# KiCad board panel.kicad_pcb (continued)
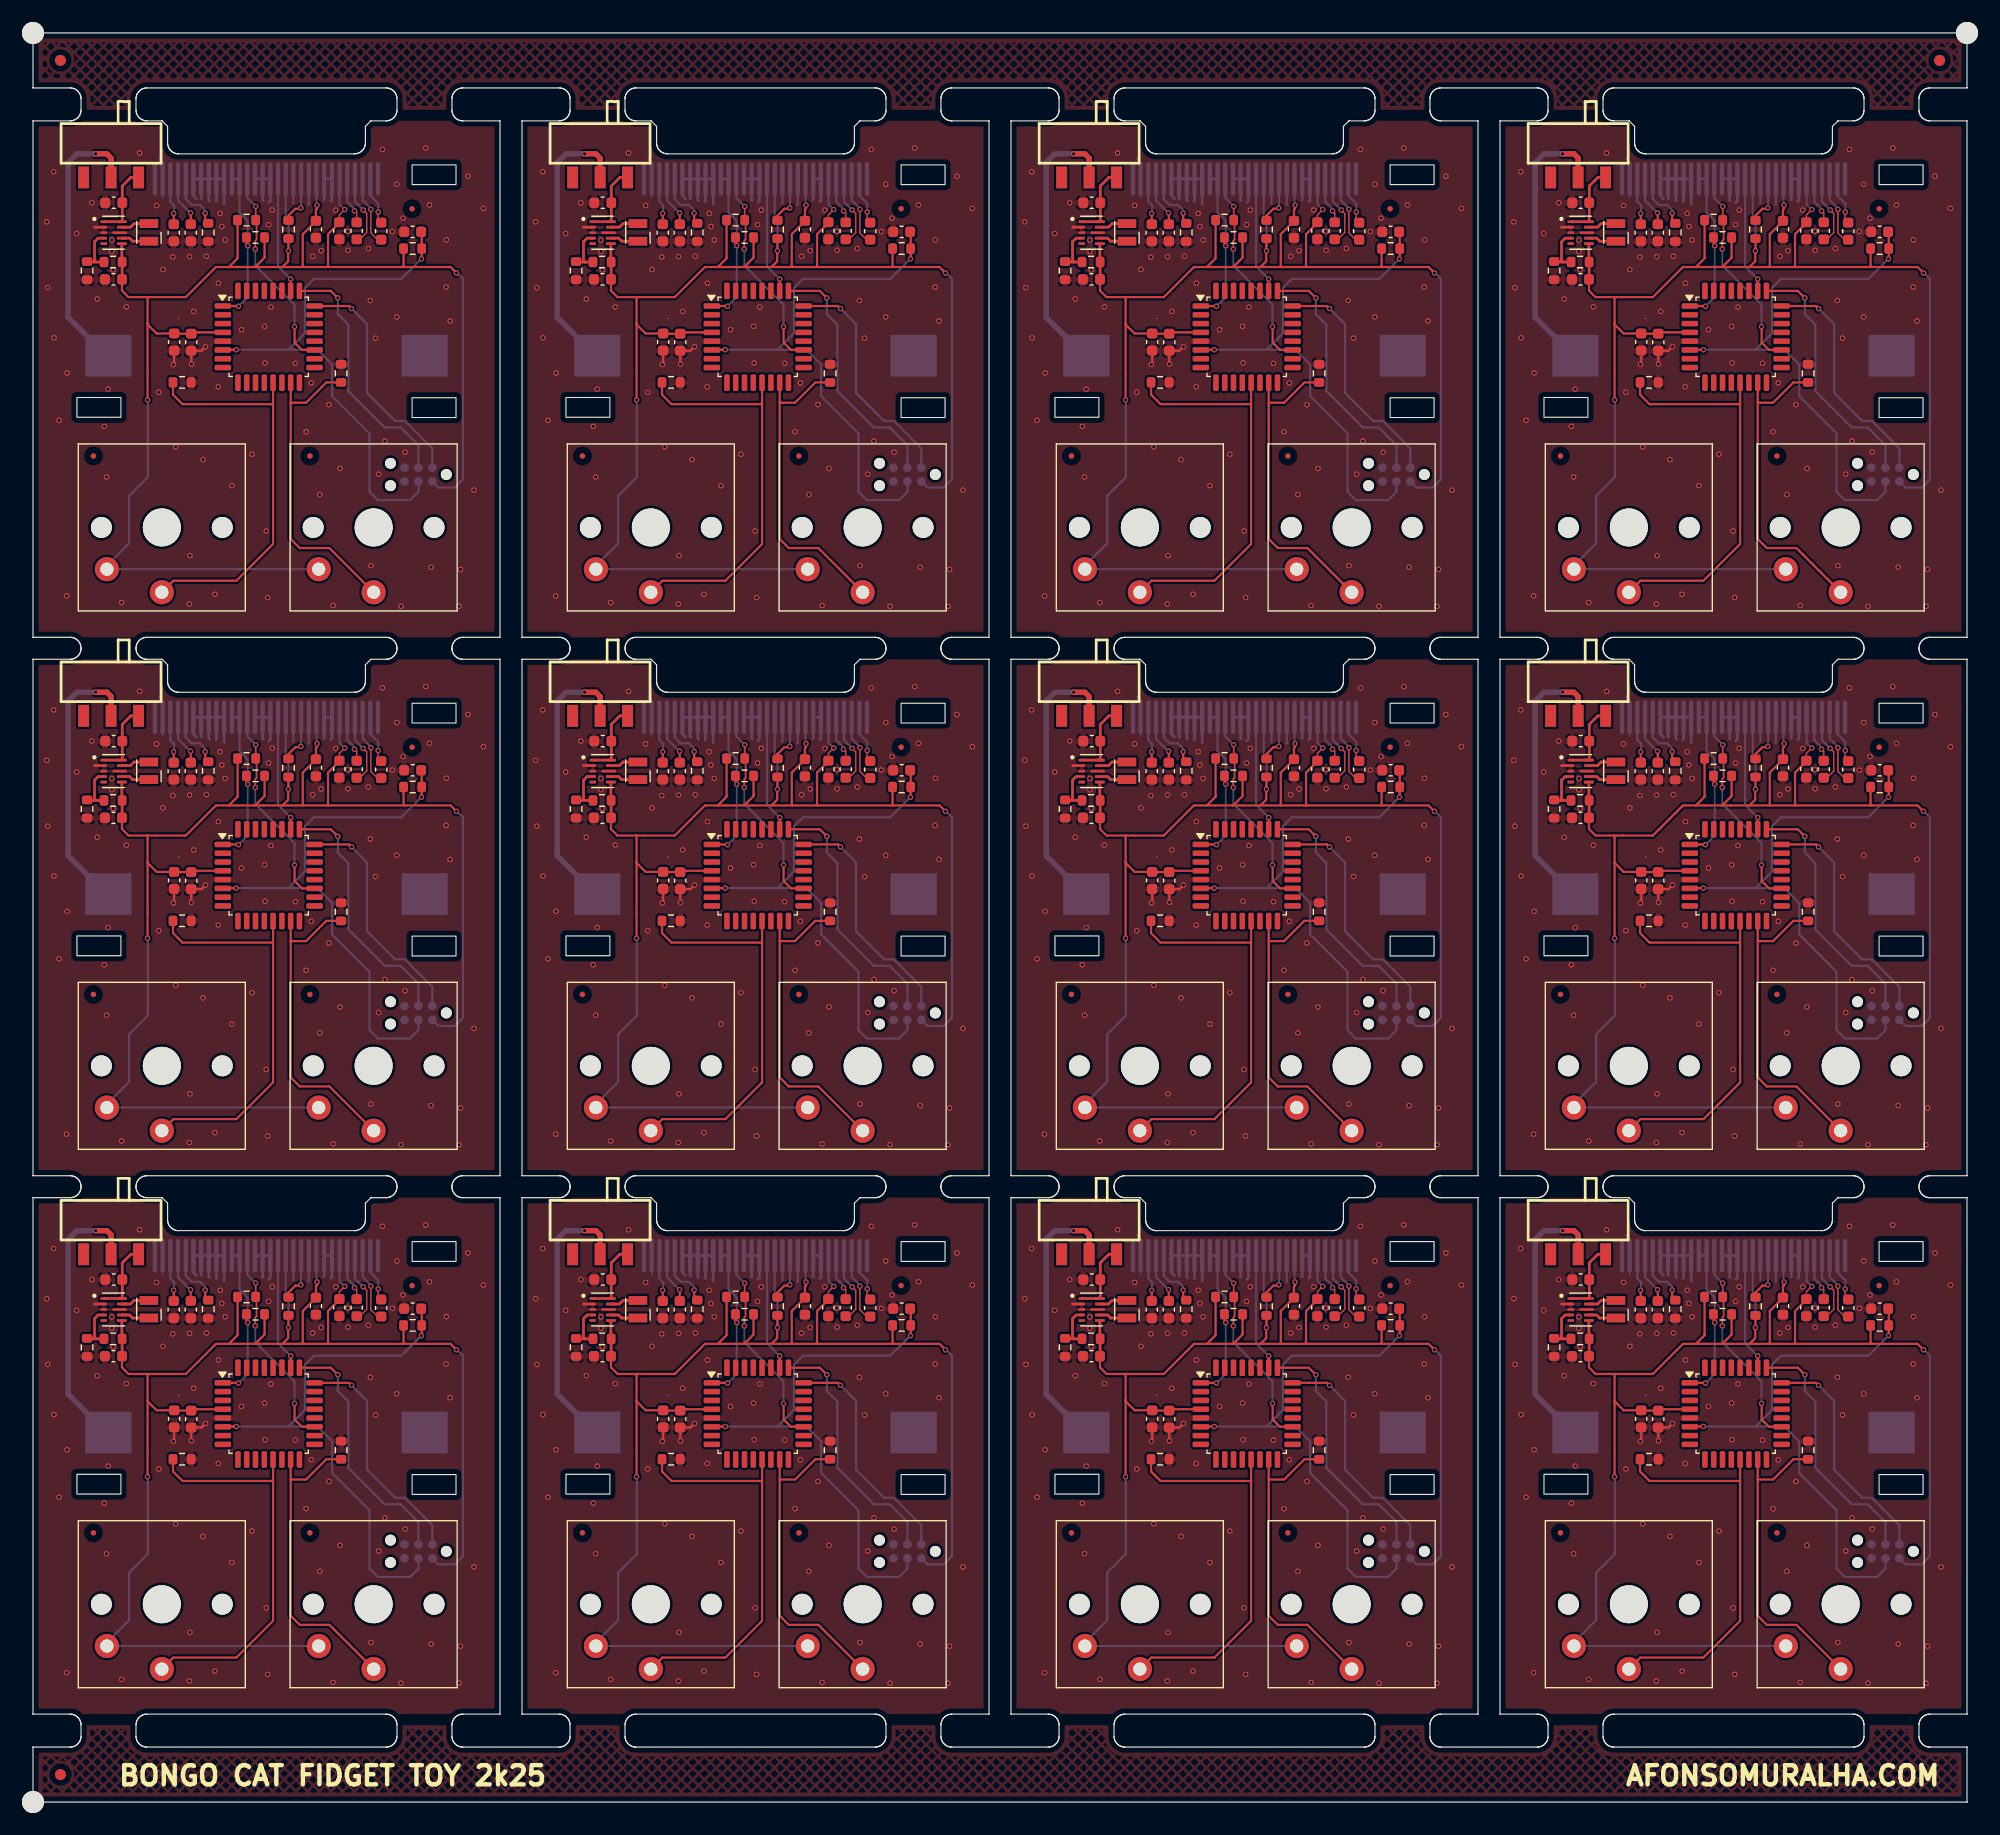
[diagram p0: board, top side]
## Nets (continued)
Board_9-/SWDIO: J4#4.2 U1#11.24
Board_9-/UART_RX: U1#11.23
Board_9-/UART_TX: U1#11.30
Board_9-GND: BT1#9.2 C1#3.2 C2.2 C3#3.2 C4#5.2 C5#5.2 C10#10.1 C11#3.1 C12#9.1 C13#9.1 J1#12.7 J1#12.8 J1#12.10 J1#12.12 J1#12.15 J1#12.16 J1#12.17 J1#12.21 J1#12.22 J1#12.23 J1#12.24 J1#12.25 J1#12.29 J1#12.30 J4#4.5 R1#4.2 R2#7.2 R4#8.2 R11#2.1 U1#11.5 U101#3.2 U101#3.3 U101#3.8
Board_9-Net-(BT1-+): BT1#9.1 SW5#12.2
Board_9-Net-(J1-Pin_2): C9#6.2 J1#12.2
Board_9-Net-(J1-Pin_3): C9#6.1 J1#12.3
Board_9-Net-(J1-Pin_4): C8#8.2 J1#12.4
Board_9-Net-(J1-Pin_5): C8#8.1 J1#12.5
Board_9-Net-(J1-Pin_26): J1#12.26 R11#2.2
Board_9-Net-(J1-Pin_27): C12#9.2 J1#12.27
Board_9-Net-(J1-Pin_28): C13#9.2 J1#12.28
Board_9-Net-(SW5-A): C1#3.1 SW5#12.3 U101#3.1 U101#3.10
Board_9-Net-(U101-FB): R4#8.1 R6#8.2 U101#3.4
Board_9-Net-(U101-L1): L102#6.1 U101#3.9
Board_9-Net-(U101-L2): L102#6.2 U101#3.7
Board_9-unconnected-(J1-Pin_1-Pad1): J1#12.1
Board_9-unconnected-(J4-SWO-Pad6): J4#4.6
Board_9-unconnected-(SW5-C-Pad1): SW5#12.1
Board_9-unconnected-(U1-PA0-Pad7): U1#11.7
Board_9-unconnected-(U1-PA1-Pad8): U1#11.8
Board_9-unconnected-(U1-PA2-Pad9): U1#11.9
Board_9-unconnected-(U1-PA3-Pad10): U1#11.10
Board_9-unconnected-(U1-PA4-Pad11): U1#11.11
Board_9-unconnected-(U1-PA5-Pad12): U1#11.12
Board_9-unconnected-(U1-PA7-Pad14): U1#11.14
Board_9-unconnected-(U1-PA8-Pad18): U1#11.18
Board_9-unconnected-(U1-PA10/NC-Pad21): U1#11.21
Board_9-unconnected-(U1-PA11/PA9-Pad22): U1#11.22
Board_9-unconnected-(U1-PB1-Pad16): U1#11.16
Board_9-unconnected-(U1-PB2-Pad17): U1#11.17
Board_9-unconnected-(U1-PB3-Pad27): U1#11.27
Board_9-unconnected-(U1-PB4-Pad28): U1#11.28
Board_9-unconnected-(U1-PB5-Pad29): U1#11.29
Board_9-unconnected-(U1-PB7-Pad31): U1#11.31
Board_9-unconnected-(U1-PB8-Pad32): U1#11.32
Board_9-unconnected-(U1-PC6-Pad20): U1#11.20
Board_9-unconnected-(U1-PC14-Pad2): U1#11.2
Board_9-unconnected-(U1-PC15-Pad3): U1#11.3
Board_9-unconnected-(U101-PG-Pad5): U101#3.5
Board_10-3V3: C2#9.1 C3#12.1 C4#11.1 C10#3.2 C11#8.2 J1#2.6 J1#2.9 J1#2.13 J4#5.1 R6#4.1 R8#4.1 R12.2 R13#9.2 R101#9.2 SW1#8.2 SW2.2 U1#5.4 U101#11.6
Board_10-/BS1: J1#2.11 R101#9.1
Board_10-/OLED_RST: J1#2.14 U1#5.26
Board_10-/RST: C5.1 J4#5.3 R8#4.2 U1#5.6
Board_10-/SCL: J1#2.18 R13#9.1 U1#5.19
Board_10-/SDA: J1#2.19 J1#2.20 R12.1 U1#5.1
Board_10-/SW1: R1.1 SW1#8.1 U1#5.13
Board_10-/SW2: R2#3.1 SW2.1 U1#5.15
Board_10-/SWCLK: J4#5.4 U1#5.25
Board_10-/SWDIO: J4#5.2 U1#5.24
Board_10-/UART_RX: U1#5.23
Board_10-/UART_TX: U1#5.30
Board_10-GND: BT1#6.2 C1#5.2 C2#9.2 C3#12.2 C4#11.2 C5.2 C10#3.1 C11#8.1 C12#7.1 C13#5.1 J1#2.7 J1#2.8 J1#2.10 J1#2.12 J1#2.15 J1#2.16 J1#2.17 J1#2.21 J1#2.22 J1#2.23 J1#2.24 J1#2.25 J1#2.29 J1#2.30 J4#5.5 R1.2 R2#3.2 R4#3.2 R11#7.1 U1#5.5 U101#11.2 U101#11.3 U101#11.8
Board_10-Net-(BT1-+): BT1#6.1 SW5#10.2
Board_10-Net-(J1-Pin_2): C9#12.2 J1#2.2
Board_10-Net-(J1-Pin_3): C9#12.1 J1#2.3
Board_10-Net-(J1-Pin_4): C8#10.2 J1#2.4
Board_10-Net-(J1-Pin_5): C8#10.1 J1#2.5
Board_10-Net-(J1-Pin_26): J1#2.26 R11#7.2
Board_10-Net-(J1-Pin_27): C12#7.2 J1#2.27
Board_10-Net-(J1-Pin_28): C13#5.2 J1#2.28
Board_10-Net-(SW5-A): C1#5.1 SW5#10.3 U101#11.1 U101#11.10
Board_10-Net-(U101-FB): R4#3.1 R6#4.2 U101#11.4
Board_10-Net-(U101-L1): L102.1 U101#11.9
Board_10-Net-(U101-L2): L102.2 U101#11.7
Board_10-unconnected-(J1-Pin_1-Pad1): J1#2.1
Board_10-unconnected-(J4-SWO-Pad6): J4#5.6
Board_10-unconnected-(SW5-C-Pad1): SW5#10.1
Board_10-unconnected-(U1-PA0-Pad7): U1#5.7
Board_10-unconnected-(U1-PA1-Pad8): U1#5.8
Board_10-unconnected-(U1-PA2-Pad9): U1#5.9
Board_10-unconnected-(U1-PA3-Pad10): U1#5.10
Board_10-unconnected-(U1-PA4-Pad11): U1#5.11
Board_10-unconnected-(U1-PA5-Pad12): U1#5.12
Board_10-unconnected-(U1-PA7-Pad14): U1#5.14
Board_10-unconnected-(U1-PA8-Pad18): U1#5.18
Board_10-unconnected-(U1-PA10/NC-Pad21): U1#5.21
Board_10-unconnected-(U1-PA11/PA9-Pad22): U1#5.22
Board_10-unconnected-(U1-PB1-Pad16): U1#5.16
Board_10-unconnected-(U1-PB2-Pad17): U1#5.17
Board_10-unconnected-(U1-PB3-Pad27): U1#5.27
Board_10-unconnected-(U1-PB4-Pad28): U1#5.28
Board_10-unconnected-(U1-PB5-Pad29): U1#5.29
Board_10-unconnected-(U1-PB7-Pad31): U1#5.31
Board_10-unconnected-(U1-PB8-Pad32): U1#5.32
Board_10-unconnected-(U1-PC6-Pad20): U1#5.20
Board_10-unconnected-(U1-PC14-Pad2): U1#5.2
Board_10-unconnected-(U1-PC15-Pad3): U1#5.3
Board_10-unconnected-(U101-PG-Pad5): U101#11.5
Board_11-3V3: C2#5.1 C3#4.1 C4#2.1 C10.2 C11#10.2 J1#4.6 J1#4.9 J1#4.13 J4.1 R6#12.1 R8#6.1 R12#10.2 R13#2.2 R101#4.2 SW1#3.2 SW2#7.2 U1#10.4 U101#7.6
Board_11-/BS1: J1#4.11 R101#4.1
Board_11-/OLED_RST: J1#4.14 U1#10.26
Board_11-/RST: C5#6.1 J4.3 R8#6.2 U1#10.6
Board_11-/SCL: J1#4.18 R13#2.1 U1#10.19
Board_11-/SDA: J1#4.19 J1#4.20 R12#10.1 U1#10.1
Board_11-/SW1: R1#8.1 SW1#3.1 U1#10.13
Board_11-/SW2: R2#10.1 SW2#7.1 U1#10.15
Board_11-/SWCLK: J4.4 U1#10.25
Board_11-/SWDIO: J4.2 U1#10.24
Board_11-/UART_RX: U1#10.23
Board_11-/UART_TX: U1#10.30
Board_11-GND: BT1#3.2 C1#6.2 C2#5.2 C3#4.2 C4#2.2 C5#6.2 C10.1 C11#10.1 C12.1 C13.1 J1#4.7 J1#4.8 J1#4.10 J1#4.12 J1#4.15 J1#4.16 J1#4.17 J1#4.21 J1#4.22 J1#4.23 J1#4.24 J1#4.25 J1#4.29 J1#4.30 J4.5 R1#8.2 R2#10.2 R4#7.2 R11#10.1 U1#10.5 U101#7.2 U101#7.3 U101#7.8
Board_11-Net-(BT1-+): BT1#3.1 SW5#7.2
Board_11-Net-(J1-Pin_2): C9.2 J1#4.2
Board_11-Net-(J1-Pin_3): C9.1 J1#4.3
Board_11-Net-(J1-Pin_4): C8#12.2 J1#4.4
Board_11-Net-(J1-Pin_5): C8#12.1 J1#4.5
Board_11-Net-(J1-Pin_26): J1#4.26 R11#10.2
Board_11-Net-(J1-Pin_27): C12.2 J1#4.27
Board_11-Net-(J1-Pin_28): C13.2 J1#4.28
Board_11-Net-(SW5-A): C1#6.1 SW5#7.3 U101#7.1 U101#7.10
Board_11-Net-(U101-FB): R4#7.1 R6#12.2 U101#7.4
Board_11-Net-(U101-L1): L102#9.1 U101#7.9
Board_11-Net-(U101-L2): L102#9.2 U101#7.7
Board_11-unconnected-(J1-Pin_1-Pad1): J1#4.1
Board_11-unconnected-(J4-SWO-Pad6): J4.6
Board_11-unconnected-(SW5-C-Pad1): SW5#7.1
Board_11-unconnected-(U1-PA0-Pad7): U1#10.7
Board_11-unconnected-(U1-PA1-Pad8): U1#10.8
Board_11-unconnected-(U1-PA2-Pad9): U1#10.9
Board_11-unconnected-(U1-PA3-Pad10): U1#10.10
Board_11-unconnected-(U1-PA4-Pad11): U1#10.11
Board_11-unconnected-(U1-PA5-Pad12): U1#10.12
Board_11-unconnected-(U1-PA7-Pad14): U1#10.14
Board_11-unconnected-(U1-PA8-Pad18): U1#10.18
Board_11-unconnected-(U1-PA10/NC-Pad21): U1#10.21
Board_11-unconnected-(U1-PA11/PA9-Pad22): U1#10.22
Board_11-unconnected-(U1-PB1-Pad16): U1#10.16
Board_11-unconnected-(U1-PB2-Pad17): U1#10.17
Board_11-unconnected-(U1-PB3-Pad27): U1#10.27
Board_11-unconnected-(U1-PB4-Pad28): U1#10.28
Board_11-unconnected-(U1-PB5-Pad29): U1#10.29
Board_11-unconnected-(U1-PB7-Pad31): U1#10.31
Board_11-unconnected-(U1-PB8-Pad32): U1#10.32
Board_11-unconnected-(U1-PC6-Pad20): U1#10.20
Board_11-unconnected-(U1-PC14-Pad2): U1#10.2
Board_11-unconnected-(U1-PC15-Pad3): U1#10.3
Board_11-unconnected-(U101-PG-Pad5): U101#7.5

## Via types
v1: diameter 0.5, hole 0.3, Top to Bottom, 1308 vias

## Routing (per net, layer and track width the routed paths; a pad name or vN(x,y) marks a point on that pad's centre or on a via; arc(x,y) is an arc through that point)
Board_0-3V3: length 148.5
  Top w0.127: 34.04,141.38 33.75,141.09 ; 27.88,143.54 C10#7.2 27.88,144.44 v1(28.37,144.93)
  Top w0.2: 20.22,139.7 21.08,140.55 R12#9.2 ; 20.22,139.7 17.83,139.7 ; 20.22,139.7 22.7,139.7 ; 17.83,139.7 16.65,139.7 13.91,136.96 10.42,136.96 ; 17.83,139.7 18.61,140.49 R13#3.2 ; 22.7,139.7 23.22,140.23 23.22,141.15 v1(23.25,141.18) R101.2 ; 22.7,139.7 24.6,139.7 ; U1#12.4 14.52,133.75 C3#11.1 12.87,133.63 C4#3.1 11.25,133.65 10.42,134.48 10.42,134.58 ; 33.75,139.7 33.72,139.73 R8#8.1 ; 33.75,139.7 26.9,139.7 ; 33.75,139.7 38,139.7 v1(38.54,139.16) ; 24.6,139.7 24.55,139.75 24.55,142.69 25.75,143.89 C11#12.2 25.75,144.92 25.85,145.02 v1(25.85,145.33) ; 24.6,139.7 26.9,139.7 ; v1(10.42,127.6) 10.42,134.58 ; 26.9,139.7 26.85,139.75 26.85,142.69 27.79,143.63 27.88,143.54 ; 10.42,136.96 10.42,134.58 ; 10.42,136.96 8.69,136.96 8.1,137.55 C2#12.1
  Top w0.25: 8.08,138.58 C2#12.1 8.11,138.59 R6#2.1 8.09,140.18 U101#9.6
  Bottom w0.2: v1(23.25,141.18) 23.25,143.95 23,144.2 J1#5.13 ; v1(25.85,145.33) 25.8,145.38 J1#5.9 ; J4#6.1 36.89,119.63 38.38,119.63 39.12,120.38 39.12,138.64 38.58,139.18 38.58,139.21 ; v1(10.42,127.6) 10.45,127.58 10.45,120.58 8.75,118.88 8.75,114.55 6.72,112.53 SW1#6.2 SW2#5.2 ; v1(28.37,144.93) 27.9,145.4 J1#5.6
Board_0-/BS1: length 4.5
  Top w0.2: v1(24.38,145.08) 24.3,145 23.88,145 23.25,144.38 R101.1
  Bottom w0.2: v1(24.38,145.08) 24.38,145.43 24.4,145.45 J1#5.11
Board_0-/OLED_RST: length 10.7
  Top w0.2: v1(23.45,138.6) U1#12.26
  Bottom w0.2: J1#5.14 22.3,139.75 v1(23.45,138.6)
Board_0-/RST: length 50
  Top w0.127: 35.12,141.32 35.06,141.38
  Top w0.2: C5#9.1 35.38,142.85 R8#8.2 35.38,140.48 v1(35.35,140.45) ; v1(18.5,132.18) 17.3,132.18 U1#12.6
  Bottom w0.2: 23.25,132.18 25.88,132.18 27.23,130.82 27.23,127.95 30.62,124.56 30.62,119.25 31.39,118.49 34.31,118.49 35.08,119.25 J4#6.3 ; 23.25,132.18 v1(18.5,132.18) ; 23.25,132.18 24.75,133.68 24.75,137.8 25.58,138.63 33.53,138.63 v1(35.35,140.45)
Board_0-/SCL: length 19.1
  Top w0.127: v1(20.23,141.33) 20.15,141.41
  Top w0.152: v1(20.27,145.22) 20.27,144.06 20.34,143.98 20.34,142.21 20.23,142.09 v1(20.23,141.33)
  Top w0.2: 23.81,134.31 23.81,132.82 24.48,132.15 U1#12.19
  Bottom w0.15: 20.2,141.45 20.22,141.43
  Bottom w0.2: v1(20.27,145.22) 19.5,145.99 J1#5.18 ; v1(23.8,134.28) 23.8,136.28 20.23,139.85 v1(20.23,141.33)
Board_0-/SDA: length 15.6
  Top w0.127: 19.55,142.56 19.64,142.65 ; U1#12.1 17.21,136.09
  Top w0.152: R12#9.1 19.42,141.76 v1(19.54,141.64)
  Top w0.2: 18.81,136.07 18.73,136.15 U1#12.1
  Bottom w0.127: 19.52,141.63 19.5,141.65
  Bottom w0.2: J1#5.19 18.8,144.65 19.54,143.91 v1(19.54,141.64) 19.54,136.97 v1(18.7,136.13)
  Bottom w0.25: J1#5.20 J1#5.19
Board_0-/SW1: length 37.3
  Top w0.127: 13.03,129.17 13.06,129.2
  Top w0.2: SW1#6.1 12.78,111.15 18.51,111.15 21.85,114.49 21.85,127.25 ; U1#12.13 21.85,127.25 ; 21.85,127.25 21.82,127.22 13.61,127.22 12.74,128.08 R1#3.1
Board_0-/SW2: length 29.1
  Top w0.2: 23.45,127.35 23.45,114.95 24.28,114.13 26.97,114.13 SW2#5.1 ; 23.45,127.35 24.85,127.35 26.69,129.2 R2#2.1 ; 23.45,127.35 U1#12.15
Board_0-/SWCLK: length 23.1
  Top w0.2: v1(27.74,136.89) 27.11,137.53 U1#12.25
  Bottom w0.2: J4#6.4 35.08,123.49 33.46,125.1 32.01,125.1 28.7,128.41 28.7,134.45 27.74,135.41 v1(27.74,136.89)
Board_0-/SWDIO: length 21.5
  Top w0.127: 25.48,136.17 25.47,136.16
  Top w0.2: v1(28.99,135.92) 28.76,136.15 U1#12.24
  Bottom w0.2: v1(28.99,135.92) 30.4,134.51 30.4,128.25 32.96,125.69 33.84,125.69 36.34,123.19 J4#6.2
Board_0-/UART_TX: length 0.1
  Top w0.127: 20.26,137.81 20.26,137.72 20.25,137.71
Board_0-GND: length 36.7
  Top w0.127: 13.25,135.02 13.28,135.02
  Top w0.2: v1(15.7,132.45) 15.33,132.08 C3#11.2 14.4,130.9 v1(14.42,130.88) ; C4#3.2 12.85,130.9 v1(12.78,130.83)
  Top w0.25: 6.5,138.39 6.58,138.31 ; 5.6,143.33 U101#9.2
  Bottom w0.127: 11.45,149.6 11.8,149.25 11.8,146 ; 28.51,141.22 28.6,141.31
  Bottom w0.2: 25.08,145.35 25.1,145.38 J1#5.10 ; J1#5.12 23.7,145.53 23.67,145.5
  Bottom w0.25: 17.4,145.43 J1#5.21 J1#5.22 ; J1#5.22 16.7,145.73 16.65,145.68 ; J1#5.22 J1#5.23 ; 27.1,145.68 27.2,145.78 J1#5.7 J1#5.8 26.5,145.83 26.47,145.8 ; 14.88,145.93 14.6,146.2 J1#5.25 J1#5.24 ; J1#5.23 16,145.8 16.08,145.73 ; J1#5.23 J1#5.24 ; J1#5.24 15.3,145.95 15.35,145.9 ; 20.95,145.75 20.9,145.8 J1#5.16 ; J1#5.16 J1#5.15 21.6,145.73 21.45,145.58 ; J1#5.16 J1#5.17
  vias: v1(1.25,143.81) v1(1.35,137.82) v1(1.88,148.38) v1(1.92,133.26) v1(2.38,125.74) v1(3.11,130.06) v1(3.06,109.78) v1(3.97,142.75) v1(5.35,145.55) v1(5.85,136.8) v1(6.49,125.2) v1(6.7,120.6) v1(6.85,128.58) v1(7.17,142.15) v1(7.17,141.13) v1(7.3,139.43) v1(8.07,109.16) v1(8.5,136.08) v1(9.7,150.08) v1(11.25,145.3) v1(11.45,128.3) v1(11.83,139.48) v1(12.72,140.6) v1(12.99,123.33) v1(14.23,109.02) v1(14.25,140.65) v1(14.29,113.44) v1(14.62,135.65) v1(15.47,122.18) v1(15.78,140.68) v1(16.56,109.92) v1(16.88,138.23) v1(16.86,128.81) v1(17.04,144.58) v1(17.19,143.38) v1(17.49,142.16) v1(18.1,119.8) v1(18.97,134) v1(19.92,122.66) v1(21.08,134.3) v1(21.12,130.98) v1(21.22,115.67) v1(21.35,109.62) v1(21.44,143.56) v1(21.65,136.05) v1(21.77,144.89) v1(23.89,130.94) v1(24.85,124.7) v1(25.33,129.15) v1(25.45,140.68) v1(26.1,119) v1(26.22,141.19) v1(26.92,127.18) v1(27.32,108.89) v1(27.55,144.88) v1(27.94,121.36) v1(28.65,142.95) v1(28.68,141.22) v1(30.52,141.39) v1(30.7,136.65) v1(30.75,112.52) v1(31.17,133.23) v1(31.46,120.85) v1(31.8,150.4) v1(32.02,123.86) v1(32.7,142.93) v1(33.11,147.24) v1(33.1,135.16) v1(33.49,108.82) v1(33.67,144.15) v1(33.87,122.84) v1(35.74,150.52) v1(36.08,145.35) v1(36.23,112.38) v1(37.62,142.18) v1(37.6,137.88) v1(37.95,134.79) v1(38.77,108.82) v1(38.91,112.18) v1(39.58,147.97) v1(40.12,119.4) v1(40.99,145.04)
Board_0-Net-(BT1-+): length 25.3
  Top w0.5: v1(5.7,150) 6.72,150 7.11,149.62 SW5#2.2
  Bottom w0.5: v1(5.7,150) 4,150 3.2,149.2 3.2,135.12 6.69,131.63 BT1#11.1
Board_0-Net-(J1-Pin_2): length 4.3
  Top w0.127: v1(31.42,144.7) 31.4,144.68 31.4,143.73
  Bottom w0.2: v1(31.42,144.7) 31.42,145.48 30.7,146.2 J1#5.2
Board_0-Net-(J1-Pin_3): length 6.4
  Top w0.127: C9#11.1 31.36,142.19 30.75,142.79 v1(30.75,144.95)
  Bottom w0.2: v1(30.75,144.95) 30.75,145.04 30,145.79 J1#5.3
Board_0-Net-(J1-Pin_4): length 6.5
  Top w0.127: C8#2.2 29.75,142.22 30.37,142.84 30.37,144.57 v1(30.05,144.89)
  Bottom w0.2: v1(30.05,144.89) 30.05,144.9 29.3,145.65 J1#5.4
Board_0-Net-(J1-Pin_5): length 4.3
  Top w0.127: v1(29.26,144.81) 29.46,144.61 C8#2.1
  Bottom w0.2: J1#5.5 28.6,145.65 29.26,144.99 v1(29.26,144.81)
Board_0-Net-(J1-Pin_26): length 5
  Top w0.15: 15.67,143.9 15.65,143.88
  Top w0.2: v1(15.67,144.6) 15.67,143.9
  Bottom w0.2: J1#5.26 13.9,145.9 14.45,145.35 15.2,145.35 15.67,144.88 v1(15.67,144.6)
Board_0-Net-(J1-Pin_27): length 4.6
  Top w0.15: 14.36,144.61 v1(14.34,144.63)
  Top w0.2: C12#12.2 14.36,144.61
  Bottom w0.2: v1(14.34,144.63) 14.32,144.63 13.2,145.75 J1#5.27
Board_0-Net-(J1-Pin_28): length 4.3
  Top w0.15: 12.81,144.57 v1(12.8,144.58)
  Top w0.2: C13#3.2 12.81,144.57
  Bottom w0.2: J1#5.28 12.5,145.65 12.85,145.3 12.85,144.63 v1(12.8,144.58)
Board_0-Net-(SW5-A): length 6.7
  Top w0.25: U101#9.1 U101#9.10 8.12,143.86 C1#2.1 8.12,147.08 8.9,147.85 SW5#2.3
Board_0-Net-(U101-FB): length 4.4
  Top w0.25: R4#5.1 4.97,140.16 5.72,140.16 ; R6#2.2 5.72,140.16 ; 5.72,140.16 5.6,140.28 5.6,142 5.92,142.33 U101#9.4
Board_0-Net-(U101-L1): length 2.6
  Top w0.25: U101#9.9 8.88,143.33 9.2,143.65 L102#4.1
Board_0-Net-(U101-L2): length 2.6
  Top w0.25: L102#4.2 9.07,142.05 9.08,142.05 8.8,142.33 U101#9.7
Board_0-unconnected-(U1-PC14-Pad2): length 0
  Top w0.127: 17.25,135.33 U1#12.2
Board_1-3V3: length 148.5
  Top w0.127: 72.38,143.54 C10#2.2 72.38,144.44 v1(72.87,144.93) ; 78.54,141.38 78.25,141.09
  Top w0.2: 72.38,143.54 72.29,143.63 71.35,142.69 71.35,139.75 71.4,139.7 ; C2#3.1 52.6,137.55 53.19,136.96 54.92,136.96 ; 62.33,139.7 63.11,140.49 R13#8.2 ; 62.33,139.7 64.72,139.7 ; 62.33,139.7 61.15,139.7 58.41,136.96 54.92,136.96 ; 64.72,139.7 65.58,140.55 R12#8.2 ; 64.72,139.7 67.2,139.7 ; 71.4,139.7 78.25,139.7 ; 71.4,139.7 69.1,139.7 ; U1#4.4 59.02,133.75 C3#8.1 57.37,133.63 C4#9.1 55.75,133.65 54.92,134.48 54.92,134.58 ; 78.25,139.7 78.22,139.73 78.22,141.38 ; 78.25,139.7 82.5,139.7 v1(83.04,139.16) ; 69.1,139.7 69.05,139.75 69.05,142.69 70.25,143.89 C11#6.2 70.25,144.92 70.35,145.02 v1(70.35,145.33) ; 69.1,139.7 67.2,139.7 ; R101#2.2 v1(67.75,141.18) 67.72,141.15 67.72,140.23 67.2,139.7 ; 54.92,134.58 v1(54.92,127.6) ; 54.92,134.58 54.92,136.96
  Top w0.25: U101#4.6 52.59,140.18 R6#10.1 52.61,138.59 C2#3.1 52.58,138.58
  Bottom w0.2: 83.08,139.21 83.08,139.18 83.62,138.64 83.62,120.38 82.88,119.63 81.4,119.63 J4#7.1 ; v1(70.35,145.33) 70.3,145.38 J1#7.9 ; J1#7.13 67.5,144.2 67.75,143.95 v1(67.75,141.18) ; v1(54.92,127.6) 54.95,127.58 54.95,120.58 53.25,118.88 53.25,114.55 51.22,112.53 SW1#11.2 SW2#4.2 ; J1#7.6 72.4,145.4 v1(72.87,144.93)
Board_1-/BS1: length 4.5
  Top w0.2: R101#2.1 67.75,144.38 68.38,145 68.8,145 v1(68.88,145.08)
  Bottom w0.2: J1#7.11 68.9,145.45 68.88,145.43 v1(68.88,145.08)
Board_1-/OLED_RST: length 10.7
  Top w0.2: v1(67.95,138.6) U1#4.26
  Bottom w0.2: J1#7.14 66.8,139.75 v1(67.95,138.6)
Board_1-/RST: length 50
  Top w0.127: 79.62,141.32 79.56,141.38
  Top w0.2: 79.82,142.9 79.88,142.85 R8.2 79.88,140.48 v1(79.85,140.45) ; v1(63,132.18) 61.8,132.18 U1#4.6
  Bottom w0.2: 67.75,132.18 v1(63,132.18) ; 67.75,132.18 70.38,132.18 71.73,130.82 71.73,127.95 75.12,124.56 75.12,119.25 75.88,118.49 78.81,118.49 79.57,119.25 J4#7.3 ; 67.75,132.18 69.25,133.68 69.25,137.8 70.07,138.63 78.03,138.63 v1(79.85,140.45)
Board_1-/SCL: length 19.1
  Top w0.127: v1(64.73,141.33) 64.65,141.41
  Top w0.152: v1(64.77,145.22) 64.77,144.06 64.84,143.98 64.84,142.21 64.73,142.09 v1(64.73,141.33)
  Top w0.2: 68.31,134.31 68.31,132.82 68.98,132.15 U1#4.19
  Bottom w0.15: 64.7,141.45 64.72,141.43
  Bottom w0.2: v1(64.77,145.22) 64,145.99 J1#7.18 ; v1(64.73,141.33) 64.73,139.85 68.3,136.28 v1(68.3,134.28)
Board_1-/SDA: length 15.6
  Top w0.127: U1#4.1 61.71,136.09 ; 64.05,142.56 64.14,142.65
  Top w0.152: R12#8.1 63.92,141.76 v1(64.04,141.64)
  Top w0.2: U1#4.1 63.23,136.15 63.31,136.07
  Bottom w0.127: 64.02,141.63 64,141.65
  Bottom w0.2: J1#7.19 63.3,144.65 64.04,143.91 v1(64.04,141.64) 64.04,136.97 v1(63.2,136.13)
  Bottom w0.25: J1#7.20 J1#7.19
Board_1-/SW1: length 37.3
  Top w0.127: 57.53,129.17 57.56,129.2
  Top w0.2: 66.35,127.25 66.32,127.22 58.11,127.22 57.24,128.08 R1#11.1 ; 66.35,127.25 66.35,114.49 63.01,111.15 57.28,111.15 SW1#11.1 ; 66.35,127.25 U1#4.13
Board_1-/SW2: length 29.1
  Top w0.2: 67.95,127.35 69.35,127.35 71.19,129.2 R2#8.1 ; 67.95,127.35 67.95,114.95 68.78,114.13 71.47,114.13 SW2#4.1 ; 67.95,127.35 U1#4.15
Board_1-/SWCLK: length 23.1
  Top w0.2: v1(72.24,136.89) 71.6,137.53 U1#4.25
  Bottom w0.2: v1(72.24,136.89) 72.24,135.41 73.2,134.45 73.2,128.41 76.51,125.1 77.96,125.1 79.57,123.49 J4#7.4
Board_1-/SWDIO: length 21.5
  Top w0.127: 69.98,136.17 69.97,136.16
  Top w0.2: U1#4.24 73.26,136.15 v1(73.49,135.92)
  Bottom w0.2: v1(73.49,135.92) 74.9,134.51 74.9,128.25 77.46,125.69 78.34,125.69 80.84,123.19 J4#7.2
Board_1-/UART_TX: length 0.1
  Top w0.127: 64.76,137.81 64.76,137.72 64.75,137.71
Board_1-GND: length 36.7
  Top w0.127: 57.75,135.02 57.78,135.02
  Top w0.2: C4#9.2 57.35,130.9 v1(57.28,130.83) ; v1(60.2,132.45) 59.83,132.08 C3#8.2 58.9,130.9 v1(58.92,130.88)
  Top w0.25: 50.1,143.33 U101#4.2 ; 51,138.39 51.08,138.31
  Bottom w0.127: 56.3,146 56.3,149.25 55.95,149.6 ; 73.01,141.22 73.1,141.31
  Bottom w0.2: 69.57,145.35 69.6,145.38 J1#7.10 ; 68.18,145.5 68.2,145.53 J1#7.12
  Bottom w0.25: 59.85,145.9 59.8,145.95 J1#7.24 ; 60.58,145.73 60.5,145.8 J1#7.23 ; J1#7.24 J1#7.25 59.1,146.2 59.38,145.93 ; J1#7.24 J1#7.23 ; J1#7.23 J1#7.22 ; J1#7.22 J1#7.21 61.9,145.43 ; J1#7.22 61.2,145.73 61.15,145.68 ; J1#7.16 65.4,145.8 65.45,145.75 ; J1#7.16 J1#7.17 ; J1#7.16 J1#7.15 66.1,145.73 65.95,145.58 ; 70.97,145.8 71,145.83 J1#7.8 J1#7.7 71.7,145.78 71.6,145.68
  vias: v1(45.75,143.81) v1(45.85,137.82) v1(46.38,148.38) v1(46.42,133.26) v1(46.88,125.74) v1(47.61,130.06) v1(47.56,109.78) v1(48.47,142.75) v1(49.85,145.55) v1(50.35,136.8) v1(50.99,125.2) v1(51.2,120.6) v1(51.35,128.58) v1(51.67,142.15) v1(51.67,141.13) v1(51.8,139.43) v1(52.57,109.16) v1(53,136.08) v1(54.2,150.08) v1(55.75,145.3) v1(55.95,128.3) v1(56.33,139.48) v1(57.22,140.6) v1(57.49,123.33) v1(58.75,140.65) v1(58.73,109.02) v1(58.79,113.44) v1(59.12,135.65) v1(59.97,122.18) v1(60.28,140.68) v1(61.06,109.92) v1(61.38,138.23) v1(61.36,128.81) v1(61.54,144.58) v1(61.69,143.38) v1(61.99,142.16) v1(62.6,119.8) v1(63.47,134) v1(64.42,122.66) v1(65.58,134.3) v1(65.62,130.98) v1(65.72,115.67) v1(65.85,109.62) v1(65.94,143.56) v1(66.15,136.05) v1(66.27,144.89) v1(68.39,130.94) v1(69.35,124.7) v1(69.82,129.15) v1(69.95,140.68) v1(70.6,119) v1(70.72,141.19) v1(71.43,127.18) v1(71.82,108.89) v1(72.05,144.88) v1(72.44,121.36) v1(73.15,142.95) v1(73.18,141.22) v1(75.02,141.39) v1(75.2,136.65) v1(75.25,112.52) v1(75.68,133.23) v1(75.96,120.85) v1(76.3,150.4) v1(76.52,123.86) v1(77.2,142.93) v1(77.61,147.24) v1(77.6,135.16) v1(77.99,108.82) v1(78.18,144.15) v1(78.37,122.84) v1(80.24,150.52) v1(80.58,145.35) v1(80.73,112.38) v1(82.12,142.18) v1(82.1,137.88) v1(82.45,134.79) v1(83.27,108.82) v1(83.41,112.18) v1(84.08,147.97) v1(84.62,119.4) v1(85.49,145.04)
Board_1-Net-(BT1-+): length 25.3
  Top w0.5: v1(50.2,150) 51.22,150 51.61,149.62 SW5#3.2
  Bottom w0.5: BT1#7.1 51.19,131.63 47.7,135.12 47.7,149.2 48.5,150 v1(50.2,150)
Board_1-Net-(J1-Pin_2): length 4.3
  Top w0.127: 75.9,143.73 75.9,144.68 v1(75.92,144.7)
  Bottom w0.2: J1#7.2 75.2,146.2 75.92,145.48 v1(75.92,144.7)
Board_1-Net-(J1-Pin_3): length 6.4
  Top w0.127: v1(75.25,144.95) 75.25,142.79 75.85,142.19 C9#2.1
  Bottom w0.2: J1#7.3 74.5,145.79 75.25,145.04 v1(75.25,144.95)
Board_1-Net-(J1-Pin_4): length 6.5
  Top w0.127: C8#3.2 74.25,142.22 74.87,142.84 74.87,144.57 v1(74.55,144.89)
  Bottom w0.2: v1(74.55,144.89) 74.55,144.9 73.8,145.65 J1#7.4
Board_1-Net-(J1-Pin_5): length 4.3
  Top w0.127: C8#3.1 73.96,144.61 v1(73.76,144.81)
  Bottom w0.2: v1(73.76,144.81) 73.76,144.99 73.1,145.65 J1#7.5
Board_1-Net-(J1-Pin_26): length 5
  Top w0.15: 60.17,143.9 60.15,143.88
  Top w0.2: v1(60.17,144.6) 60.17,143.9
  Bottom w0.2: v1(60.17,144.6) 60.17,144.88 59.7,145.35 58.95,145.35 58.4,145.9 J1#7.26
Board_1-Net-(J1-Pin_27): length 4.6
  Top w0.15: 58.86,144.61 v1(58.84,144.63)
  Top w0.2: C12#3.2 58.86,144.61
  Bottom w0.2: J1#7.27 57.7,145.75 58.82,144.63 v1(58.84,144.63)
Board_1-Net-(J1-Pin_28): length 4.3
  Top w0.15: 57.31,144.57 v1(57.3,144.58)
  Top w0.2: C13#10.2 57.31,144.57
  Bottom w0.2: J1#7.28 57,145.65 57.35,145.3 57.35,144.63 v1(57.3,144.58)
Board_1-Net-(SW5-A): length 6.7
  Top w0.25: U101#4.1 U101#4.10 52.62,143.86 C1#4.1 52.62,147.08 53.4,147.85 SW5#3.3
Board_1-Net-(U101-FB): length 4.4
  Top w0.25: R6#10.2 50.22,140.16 ; 50.22,140.16 49.47,140.16 R4#4.1 ; 50.22,140.16 50.1,140.28 50.1,142 50.42,142.33 U101#4.4
Board_1-Net-(U101-L1): length 2.6
  Top w0.25: U101#4.9 53.38,143.33 53.7,143.65 L102#8.1
Board_1-Net-(U101-L2): length 2.6
  Top w0.25: U101#4.7 53.3,142.33 53.58,142.05 53.57,142.05 L102#8.2
Board_1-unconnected-(U1-PC14-Pad2): length 0
  Top w0.127: 61.75,135.33 U1#4.2
Board_2-3V3: length 148.5
  Top w0.127: 116.88,143.54 C10#5.2 116.88,144.44 v1(117.37,144.93) ; 123.04,141.38 122.75,141.09
  Top w0.2: 115.9,139.7 115.85,139.75 115.85,142.69 116.79,143.63 116.88,143.54 ; 115.9,139.7 113.6,139.7 ; 115.9,139.7 122.75,139.7 ; 111.7,139.7 109.22,139.7 ; 111.7,139.7 113.6,139.7 ; 111.7,139.7 112.22,140.23 112.22,141.15 v1(112.25,141.18) R101#7.2 ; 106.82,139.7 105.65,139.7 102.91,136.96 99.43,136.96 ; 106.82,139.7 107.62,140.49 R13#4.2 ; 106.82,139.7 109.22,139.7 ; C2#6.1 97.1,137.55 97.69,136.96 99.43,136.96 ; 113.6,139.7 113.55,139.75 113.55,142.69 114.75,143.89 C11#4.2 114.75,144.92 114.85,145.02 v1(114.85,145.33) ; 109.22,139.7 110.07,140.55 R12#12.2 ; 99.43,136.96 99.43,134.58 ; 122.75,139.7 122.72,139.73 122.72,141.38 ; 122.75,139.7 127,139.7 v1(127.54,139.16) ; 99.43,134.58 v1(99.43,127.6) ; 99.43,134.58 99.43,134.48 100.25,133.65 C4#4.1 101.87,133.63 C3#10.1 103.52,133.75 106.28,133.75
  Top w0.25: 97.07,138.58 C2#6.1 97.12,138.59 97.12,140.16 97.09,140.18 U101#8.6
  Bottom w0.2: v1(99.43,127.6) 99.45,127.58 99.45,120.58 97.75,118.88 97.75,114.55 95.72,112.53 SW1#4.2 SW2#9.2 ; v1(117.37,144.93) 116.9,145.4 J1#3.6 ; J1#3.13 112,144.2 112.25,143.95 v1(112.25,141.18) ; J4#11.1 125.9,119.63 127.38,119.63 128.12,120.38 128.12,138.64 127.58,139.18 127.58,139.21 ; J1#3.9 114.8,145.38 v1(114.85,145.33)
Board_2-/BS1: length 4.5
  Top w0.2: v1(113.38,145.08) 113.3,145 112.88,145 112.25,144.38 R101#7.1
  Bottom w0.2: J1#3.11 113.4,145.45 113.38,145.43 v1(113.38,145.08)
Board_2-/OLED_RST: length 10.7
  Top w0.2: v1(112.45,138.6) U1#7.26
  Bottom w0.2: v1(112.45,138.6) 111.3,139.75 J1#3.14
Board_2-/RST: length 50
  Top w0.127: 124.12,141.32 124.06,141.38
  Top w0.2: 124.32,142.9 124.38,142.85 R8#2.2 124.38,140.48 v1(124.35,140.45) ; 106.28,132.15 106.3,132.18 v1(107.5,132.18)
  Bottom w0.2: v1(124.35,140.45) 122.53,138.63 114.57,138.63 113.75,137.8 113.75,133.68 112.25,132.18 ; 112.25,132.18 v1(107.5,132.18) ; 112.25,132.18 114.88,132.18 116.23,130.82 116.23,127.95 119.62,124.56 119.62,119.25 120.38,118.49 123.31,118.49 124.07,119.25 J4#11.3
Board_2-/SCL: length 19.1
  Top w0.127: v1(109.23,141.33) 109.15,141.41
  Top w0.152: v1(109.27,145.22) 109.27,144.06 109.34,143.98 109.34,142.21 109.23,142.09 v1(109.23,141.33)
  Top w0.2: U1#7.19 113.48,132.15 112.81,132.82 112.81,134.31
  Bottom w0.15: 109.2,141.45 109.22,141.43
  Bottom w0.2: v1(112.8,134.28) 112.8,136.28 109.23,139.85 v1(109.23,141.33) ; v1(109.27,145.22) 108.5,145.99 J1#3.18
Board_2-/SDA: length 15.6
  Top w0.127: 106.28,136.15 106.21,136.09 ; 108.55,142.56 108.64,142.65
  Top w0.152: v1(108.54,141.64) 108.43,141.76 R12#12.1
  Top w0.2: 107.81,136.07 107.73,136.15 106.28,136.15
  Bottom w0.127: 108.52,141.63 108.5,141.65
  Bottom w0.2: J1#3.19 107.8,144.65 108.54,143.91 v1(108.54,141.64) 108.54,136.97 v1(107.7,136.13)
  Bottom w0.25: J1#3.20 J1#3.19
Board_2-/SW1: length 37.3
  Top w0.127: 102.03,129.17 102.06,129.2
  Top w0.2: 110.85,127.25 110.85,114.49 107.51,111.15 101.78,111.15 SW1#4.1 ; 110.85,127.25 U1#7.13 ; 110.85,127.25 110.82,127.22 102.6,127.22 101.74,128.08 R1#9.1
Board_2-/SW2: length 29.1
  Top w0.2: 112.45,127.35 113.85,127.35 115.69,129.2 R2#4.1 ; 112.45,127.35 U1#7.15 ; 112.45,127.35 112.45,114.95 113.28,114.13 115.97,114.13 SW2#9.1